# Altium PCB tesis.PcbDoc (part 3 of 3)
Units mil, origin at the board's own origin, x right, y up, seen from the top; angles counter-clockwise.
Board outline 5873 x 4555 mil, 2 copper layers (Top Layer, Bottom Layer); 272 components, 151 nets, 815 pads, 292 vias.
Unrouted connection lines stored in the file: 224.
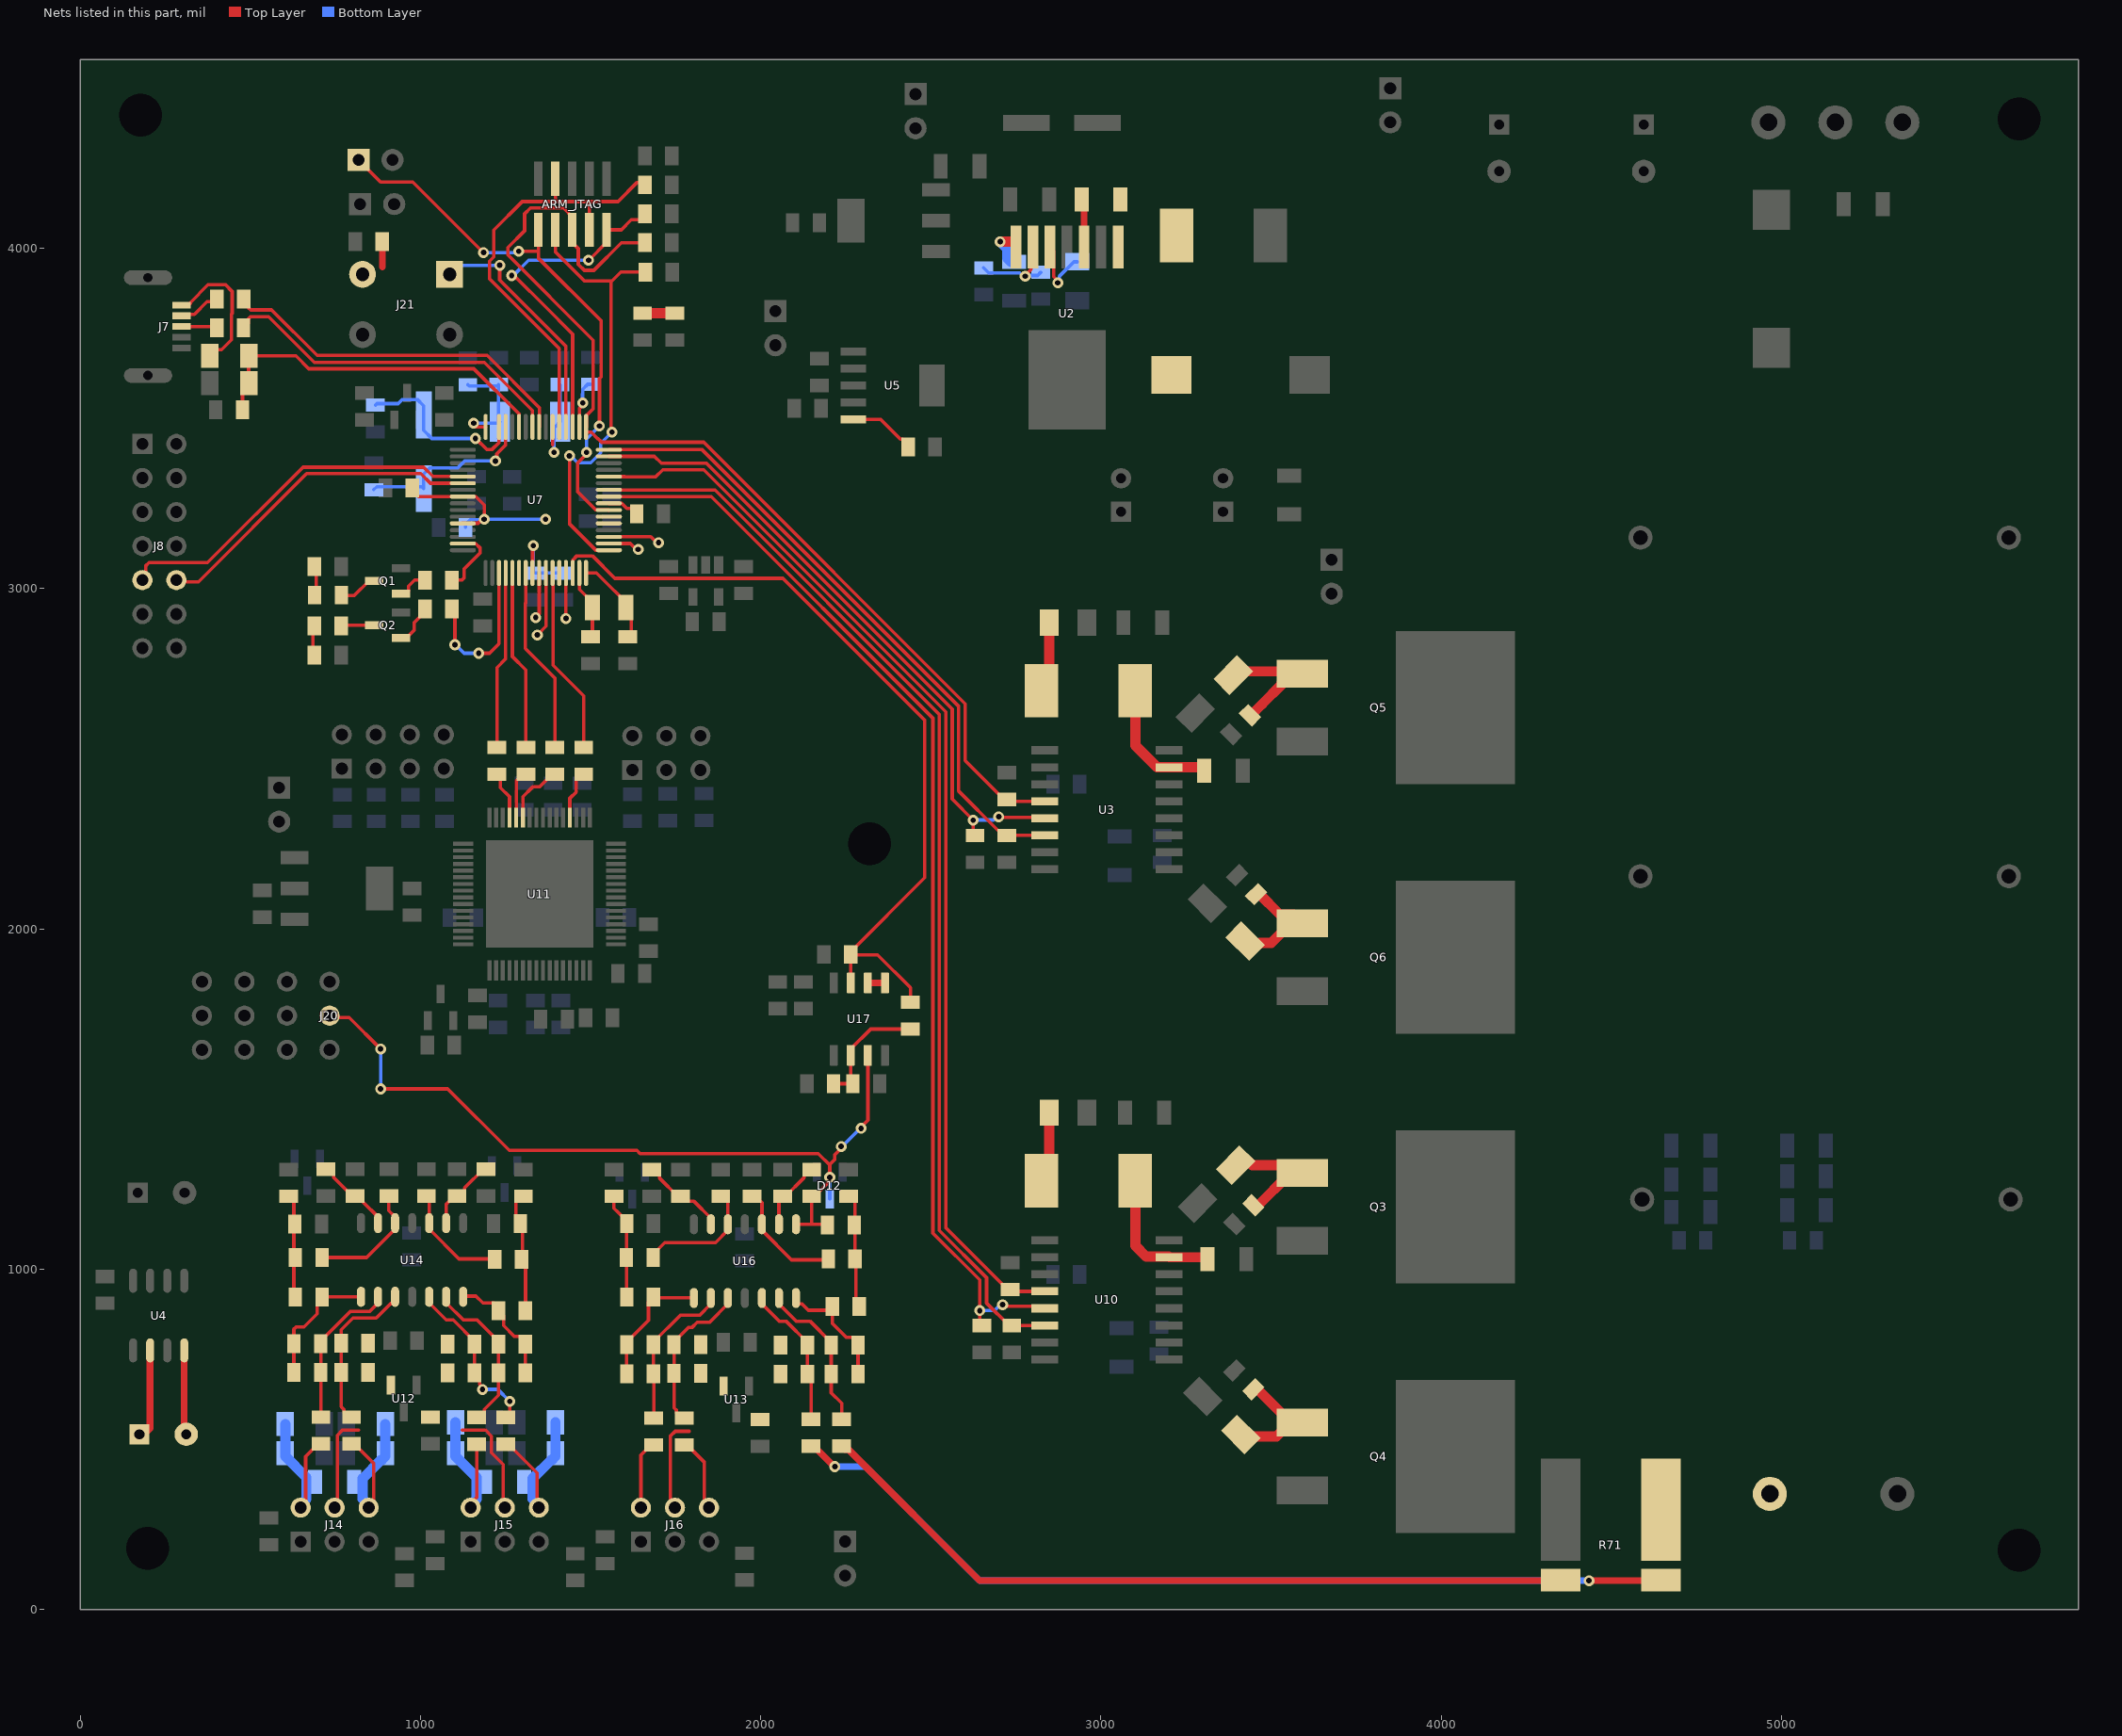
[diagram p3: the nets of this part, all layers, seen from the top]

## Via types
v1: diameter 32, hole 16, Top Layer to Bottom Layer, tented both sides, 257 vias
v2: diameter 55, hole 32, Top Layer to Bottom Layer, 12 vias
v3: diameter 32, hole 16, Top Layer to Bottom Layer, 9 vias
v4: diameter 26, hole 13, Top Layer to Bottom Layer, 9 vias
v5: diameter 32, hole 16, Top Layer to Bottom Layer, tented top, 3 vias
v6: diameter 50, hole 28, Top Layer to Bottom Layer, 2 vias

## Nets (pads, with @x,y where several pads share a name; then routed paths per layer and width w, separated by ;. In a path a pad name is that pad's centre, name@x,y a point inside that pad or via, vN(x,y) a via of type N, cw(c..) or ccw(c..) an arc to the next point about the centre after c; other vN are vias at no path point) (continued)
I4: C94.2 D12.3 J20.2 R70.1 U16.8 U17.3 | length 2450.6
  Top Layer w10: J20.2@733,1745 738,1740 790.44,1740 v1(883,1647.44) ; v1(883,1530) 1080,1530 1261,1349 1636.57,1349 1645.57,1340 2169.47,1340 2203,1306.47 v1(2203,1270) 2198.79,1265.79 2198.79,1255.28 2157.54,1214.03 R70.1@2149.66,1214.03 2149.66,1133.28 2148.59,1132.21 ; U16.8@2103.66,1132.21 2148.59,1132.21 ; C94.2@2196.28,1129.44 2193.51,1132.21 2148.59,1132.21 ; 2202.24,1307.24 2217.29,1322.29 2217.29,1336.43 2236.56,1355.69 v1(2236.56,1361) ; v1(2295,1413.84) 2295,1417.68 2315,1437.68 U17.3@2315,1628.7
  Bottom Layer w10: v1(883,1530) v1(883,1647.44) ; D12.3@2203,1206.49 v1(2203,1270) ; v1(2236.56,1361) 2239.36,1361 2292.2,1413.84 v1(2295,1413.84)
I_OUT_shunt_out: J9.1 R71.3
I_SHUNT+: R62.2 R71.2 | length 2277.2
  Top Layer w20: R62.2@2238,480.07 2247.69,470.39 2257.61,470.39 2643,85 4349.5,85 R71.2@4350.95,86.46
I_SHUNT-: R66.2 R71.1 | length 2661.3
  Top Layer w20: R66.2@2148,480.07 2155.87,480.07 2215.95,420 v3(2218.08,420) ; v1(4434.02,85) 4643.59,85 R71.1@4645.05,86.46
  Bottom Layer w20: v3(2218.08,420) 2308,420 2643,85 v1(4434.02,85)
IL_REF_A: C78.1 C79.1 C88.1 J14.4 J15.4 R42.2 R51.2 U12.2 | length 606.1
  Top Layer w10: J14.4@762.65,311.88 756.1,318.43 756.1,512.43 770.56,526.88 817.65,526.88 ; 1122.65,526.88 1191.76,526.88 1209.1,509.54 1209.1,460.46 1243,426.56 J15.4@1243,281.91
IL_REF_B: C80.1 C92.1 C96.1 J16.4 R60.2 R69.2 U13.2 | length 277.1
  Top Layer w10: J16.4@1748,299.44 1748,312.72 1734.1,326.61 1734.1,509.06 1748.93,523.88 1789.65,523.88
NetC1_1: C1.1 U2.3 | length 142.9
  Top Layer w20: C1.1@2943.16,4143 2943.16,4123.32 2950.24,4116.23 U2.3@2950.24,4003
NetC1_2: C1.2 D1.1 L1.1 U2.1
NetC4_1: C4.1 U2.7 | length 144.4
  Top Layer w30: v3(2703.77,4019.24) 2749.5,4019.24 2750.24,4018.49 U2.7@2750.24,4003
  Bottom Layer w30: v3(2703.77,4019.24) 2724.81,3998.19 2724.81,3970.68 2735.4,3960.09 C4.1@2745.24,3960.09
NetC15_1: C15.1 U4.2 | length 268.9
  Top Layer w20: C15.1@174.1,515 175.1,514 187.1,514 205.31,532.21 205.31,760.95 U4.2@206,761.64
NetC15_2: C15.2 U4.4 | length 249.1
  Top Layer w20: U4.4@306,761.64 306,520.9 C15.2@311.9,515
NetC23_1: C23.1 U5.5 | length 199.5
  Top Layer w10: U5.5@2271.65,3496.68 2353.43,3496.68 2410.87,3439.24 2418.74,3439.24 2433.43,3424.55 C23.1@2433.43,3416.68
NetC29_1: C29.1 J14.2 R35.2 R86.1 R87.1 | length 476.6
  Top Layer w10: J14.2@662.65,311.88 662.65,449.8 699.79,486.94 R35.2@707.66,486.94
  Bottom Layer w30: R86.1@602.91,545 R87.1@602.91,460 602.91,450.16 665,388.07 665,324.3 648,307.3 J14.2@648,299.44
NetC29_2: C29.2 J14.6 R39.2 R88.2 R89.2 | length 488.5
  Top Layer w10: R39.2@797.66,486.94 805.54,486.94 862.65,429.83 J14.6@862.65,311.88
  Bottom Layer w30: J14.6@848,299.44 848,307.3 830,325.3 830,385 884.57,439.57 886.5,439.57 897.09,450.16 R88.2@897.09,460 R89.2@897.09,545
NetC30_1: C30.1 J15.2 R44.2 R90.1 R91.1 | length 477.1
  Top Layer w10: J15.2@1148,299.44 1148,312.17 1165.66,329.83 R44.2@1165.66,485.94
  Bottom Layer w30: R90.1@1102.91,550 R91.1@1102.91,460 1102.91,450.16 1165,388.07 1165,324.3 1148,307.3 J15.2@1148,299.44
NetC30_2: C30.2 J15.6 R48.2 R92.2 R93.2 | length 528.9
  Top Layer w10: R48.2@1250.66,485.94 1258.54,485.94 1343,401.48 J15.6@1343,286.9
  Bottom Layer w30: J15.6@1348,299.44 1348,307.3 1330,325.3 1330,385.14 1384.42,439.57 1386.5,439.57 1397.09,450.16 R92.2@1397.09,460 R93.2@1397.09,550
NetC39_1: C39.1 U7.32 Y2.2 | length 265.3
  Top Layer w10: U7.32@1486.8,3045.85 1517.71,3045.85 1620.23,2943.33 1620.23,2869 C39.1@1609.6,2858.37
NetC44_1: C44.1 U7.31 Y2.1 | length 208.7
  Top Layer w10: U7.31@1467.12,3045.85 1467.46,3045.5 1467.46,2997.67 1505.39,2959.75 1505.39,2859.16 1504.6,2858.37 C44.1@1499.6,2858.37
NetC45_2: C45.2 C46.1 C47.1 C48.1 C49.1 L3.1 U7.8 U7.12 U7.24 U7.54 | length 1091.4
  Top Layer w10: C47.1@975.96,3296.18 975.96,3288.31 994,3270.26 U7.8@1124.6,3270.26 1124.94,3269.91 1163.06,3269.91 1187.6,3245.38 v1(1187.6,3204) 1181.64,3204 1169.51,3191.87 1124.94,3191.87 U7.12@1124.6,3191.52 ; U7.24@1329.32,3045.85 1329.67,3046.2 1329.67,3124.26 v3(1331.59,3126.18) ; 1388.38,3422.78 U7.54@1388.38,3474.98
  Bottom Layer w10: C48.1@1132.37,3180 1132.37,3187.88 1147.06,3202.56 1186.16,3202.56 v1(1187.6,3204) v1(1367.78,3204) ; v3(1331.59,3126.18) 1331.59,3048.12 1329.32,3045.85 1329.32,3045.55 C45.2@1401.59,3045.55 ; v1(1393,3400) 1393,3472.4 L3.1@1410.6,3490 1410.6,3598.63 C49.1@1409.6,3599.63
NetC50_2: C50.2 C51.1 L3.2 U7.64 | length 325.8
  Top Layer w10: v1(1156.59,3486.18) 1156.59,3480.84 1162.45,3474.98 U7.64@1191.53,3474.98
  Bottom Layer w10: C51.1@1139.6,3599 1143.42,3595.18 1225.15,3595.18 C50.2@1229.6,3599.63 1229.6,3493.84 L3.2@1233.43,3490 1229.61,3486.18 v1(1156.59,3486.18)
NetC52_1: C52.1 D6.1 U10.7 | length 416.6
  Top Layer w30: D6.1@3100.8,1260 3100.8,1069.2 3133.19,1036.81 U10.7@3198.87,1036.81 ; U10.7@3200.68,1035 3307.91,1035 C52.1@3312.91,1030
NetC53_1: C53.1 D13.1 U3.7 | length 396.7
  Top Layer w30: D13.1@3100.8,2700 3100.8,2539.21 3165,2475 U3.7@3200.68,2475 3293.04,2475 3297.91,2470.13 3297.91,2465 C53.1@3302.91,2465
NetC75_1: C75.1 R35.1 R36.2 U14.2 | length 456.6
  Top Layer w10: R35.1@707.66,565.68 707.66,696.31 707.66,780.68 C75.1@707.03,781.31 707.03,789.19 793.36,875.52 849.85,875.52 875.66,901.33 U14.2@875.66,919.04
NetC75_2: C75.2 R36.1 R37.2 U14.1 | length 384.8
  Top Layer w10: R36.1@628.29,696.31 C75.2@628.29,781.31 628.29,823.87 634.86,830.44 657.94,830.44 697,869.5 697,904.42 711.62,919.04 U14.1@825.66,919.04
NetC76_1: C76.1 R37.1 R38.2 R40.2 | length 308.3
  Top Layer w10: R40.2@612.74,1214.03 613.61,1214.03 628.29,1199.34 628.29,1135.43 C76.1@631.28,1132.44 628.29,1129.45 R38.2@628.29,1034.44 ; R37.1@632.28,918.44 628.29,922.43 628.29,1030.45 R38.2@632.28,1034.44
NetC77_2: C77.2 R38.1 U14.12 | length 354.5
  Top Layer w10: R38.1@711.02,1034.44 842.24,1034.44 925.66,1117.86 925.66,1153.3 906.7,1172.25 906.7,1213.98 C77.2@907.66,1214.94
NetC78_2: C78.2 R39.1 R42.1 U14.3 | length 480.3
  Top Layer w10: R39.1@797.66,565.68 789.79,565.68 775.1,580.37 775.1,588.24 767.29,596.05 R42.1@767.29,697.31 C78.2@767.29,782.31 767.29,821.94 801.87,856.52 870.15,856.52 912.35,898.72 919.37,898.72 925.66,905.01 U14.3@925.66,919.04
NetC83_1: C83.1 R44.1 R45.2 U14.6 | length 472.7
  Top Layer w10: U14.6@1075.66,919.04 1075.66,901.33 1126.19,850.8 1166.68,850.8 1229.29,788.19 C83.1@1229.29,780.31 R45.2@1229.29,695.31 1229.29,629.37 1188.22,588.3 1188.22,579.37 1173.54,564.68 R44.1@1165.66,564.68
NetC83_2: C83.2 R45.1 R46.2 U14.7 | length 352.9
  Top Layer w10: U14.7@1125.66,919.04 1127.66,921.04 1163.43,921.04 1183.47,901 1214.94,901 1229.63,886.32 R46.2@1229.63,878.44 1244.32,863.76 1244.32,834.44 1275.89,802.87 1293.35,802.87 1308.03,788.19 C83.2@1308.03,780.31 R45.1@1308.03,695.31
NetC84_1: C84.1 R46.1 R47.2 R49.2 | length 364.3
  Top Layer w10: R49.2@1302.74,1214.03 1294.87,1214.03 1280.19,1199.34 1280.19,1148.28 1300.4,1128.06 1300.4,1031.47 R47.2@1297.37,1028.44 1309.02,1016.79 1309.02,879.09 R46.1@1308.37,878.44
NetC86_2: C86.2 R47.1 U14.10 | length 330.4
  Top Layer w10: C86.2@1017.66,1214.94 1025.66,1206.94 1025.66,1117.86 1113.08,1030.44 1216.63,1030.44 R47.1@1218.63,1028.44
NetC88_2: C88.2 R48.1 R51.1 U14.5 | length 495.7
  Top Layer w10: U14.5@1025.66,919.04 1025.66,901.33 1076.19,850.8 1096.42,850.8 1159.03,788.19 C88.2@1159.03,780.31 R51.1@1159.03,695.31 1173.72,680.63 1173.72,661.77 1182.65,652.84 v1(1182.65,646.88) ; R48.1@1250.66,564.68 1262.65,576.67 v1(1262.65,611.88)
  Bottom Layer w10: v1(1182.65,646.88) 1227.65,646.88 v1(1262.65,611.88)
NetC89_1: C89.1 R53.1 R54.2 U16.2 | length 456.6
  Top Layer w10: R53.1@1685.66,562.31 1685.66,692.31 R54.2@1685.03,692.94 C89.1@1685.03,777.94 1685.03,785.82 1763.66,864.44 1820.15,864.44 1853.66,897.96 U16.2@1853.66,915.67
NetC89_2: C89.2 R54.1 R55.2 U16.1 | length 377.2
  Top Layer w10: R54.1@1606.29,692.94 C89.2@1606.29,777.94 1606.29,785.82 1670.35,849.87 1670.35,903.26 R55.2@1685.03,917.94 1687.3,915.67 U16.1@1803.66,915.67
NetC90_1: C90.1 R55.1 R56.2 R58.2 | length 311.9
  Top Layer w10: R58.2@1568.74,1214.02 1568.74,1179.34 1576.94,1171.14 1577.45,1171.14 1606.28,1142.32 C90.1@1606.28,1134.44 1606.29,1046.43 R55.1@1606.29,917.94
NetC91_2: C91.2 R56.1 U16.12 | length 360.5
  Top Layer w10: R56.1@1686.02,1046 1718.04,1078.02 1867.19,1078.02 1903.66,1114.49 1903.66,1201.89 1888.98,1216.57 C91.2@1882.66,1216.57
NetC92_2: C92.2 R57.1 R60.1 U16.3 | length 463.8
  Top Layer w10: R57.1@1775.66,562.31 1767.79,562.31 1753.1,577 1753.1,584.87 1745.29,592.68 R60.1@1745.29,693.94 1745.29,786.82 1786.92,828.45 1797.53,828.45 1813.52,844.44 1850.14,844.44 1903.66,897.96 U16.3@1903.66,915.67
NetC93_1: C93.1 R62.1 R63.2 U16.6 | length 456.9
  Top Layer w10: U16.6@2053.66,915.67 2053.66,897.96 2104.19,847.43 2144.68,847.43 2207.29,784.82 C93.1@2207.29,776.94 2207.29,636.79 2238,606.09 R62.1@2238,558.81
NetC93_2: C93.2 R63.1 R64.2 U16.7 | length 373.8
  Top Layer w10: U16.7@2103.66,915.67 2103.66,904.15 2109.95,897.86 2121.48,897.86 2139.79,879.54 2200.17,879.54 R64.2@2210.63,890 2210.63,840.65 2251.78,799.5 2271.35,799.5 2286.03,784.82 R63.1@2286.03,691.94
NetC94_1: C94.1 R64.1 R65.2 R67.2 | length 343
  Top Layer w10: R67.2@2258.74,1216.03 2262.72,1216.03 2277.4,1201.34 2277.4,1131.82 C94.1@2275.02,1129.44 2277.4,1127.06 R65.2@2277.37,1030 ; R65.2@2277.37,1030 2280,1027.37 2280,899.37 R64.1@2289.37,890
NetC95_2: C95.2 R65.1 U16.10 | length 350.7
  Top Layer w10: C95.2@1974.66,1216.57 1982.54,1216.57 2003.66,1195.45 2003.66,1114.49 2090.6,1027.56 2196.19,1027.56 R65.1@2198.63,1030
NetC96_2: C96.2 R66.1 R69.1 U16.5 | length 428.5
  Top Layer w10: U16.5@2003.66,915.67 2003.66,897.96 2054.19,847.43 2074.42,847.43 2137.03,784.82 C96.2@2137.03,776.94 R69.1@2137.03,691.94 2148,680.97 R66.1@2148,558.81
NetD2_2: D2.2 R4.1 | length 95.4
  Top Layer w20: R4.1@1748,3809.37 R4.1@1748.32,3809.69
  Top Layer w30: D2.2@1653,3809.37 R4.1@1748,3809.37
NetD4_1: D4.1 Q1.3 | length 114.4
  Top Layer w10: D4.1@767.86,2980.98 768.84,2980 773,2980 806.17,2980 848.57,3022.4 Q1.3@864.26,3022.4
NetD4_2: D4.2 R8.1 | length 88
  Top Layer w10: R8.1@688.63,3065 693.63,3060 693.63,2985.5 D4.2@689.12,2980.98
NetD5_1: D5.1 Q2.3 | length 99.3
  Top Layer w10: D5.1@767.37,2890 767.37,2892.4 Q2.3@864.26,2892.4
NetD5_2: D5.2 R9.1 | length 88.6
  Top Layer w10: R9.1@688.63,2805 684.26,2809.37 684.26,2885.63 D5.2@688.63,2890
NetD6_2: D6.2 R5.1 | length 222.7
  Top Layer w30: D6.2@2825.2,1260 2847.88,1260 R5.1@2847.88,1460
NetD7_2: D7.2 Q3.1 R30.2 | length 437.7
  Top Layer w30: D7.2@3395.68,1305.68 3406.81,1316.81 3432.93,1316.81 3444.06,1305.68 3535.2,1305.68 Q3.1@3557.55,1283.33 ; R30.2@3447.84,1187.84 3454.95,1180.73 Q3.1@3557.55,1283.33 ; Q3.1@3557.55,1283.33 Q3.1@3591.6,1283.33 ; Q3.1@3557.55,1283.33 Q3.1@3591.6,1283.33 ; Q3.1@3557.55,1283.33 Q3.1@3591.6,1283.33
NetD8_2: D8.2 Q4.1 R31.2 | length 353.2
  Top Layer w30: D8.2@3410.68,514.32 3416.81,508.19 3515.73,508.19 Q4.1@3557.55,550 ; R31.2@3447.84,647.16 3450.8,650.12 3457.43,650.12 3531.6,575.95 Q4.1@3557.55,550 ; Q4.1@3591.6,550 Q4.1@3557.55,550
NetD13_2: D13.2 R6.1 | length 209.4
  Top Layer w30: D13.2@2825.2,2700 2847.88,2722.68 R6.1@2847.88,2900
NetD14_2: D14.2 Q5.1 R83.2 | length 420.5
  Top Layer w30: D14.2@3388.68,2744.32 D14.2@3388.68,2745.68 3399.81,2756.81 3557.55,2756.81 3584.79,2756.81 Q5.1@3591.6,2750 3557.55,2750 3531.6,2724.06 3531.6,2718.6 3473,2660 3439.34,2626.34 R83.2@3437.84,2627.84
NetD15_2: D15.2 Q6.1 R84.2 | length 371.7
  Top Layer w30: D15.2@3423.68,1964.32 3434.81,1953.19 3460.93,1953.19 3467.02,1959.28 3500.61,1959.28 3531.6,1990.28 3531.6,1990.72 3557.55,2016.67 Q6.1@3591.6,2016.67 3565.66,2042.61 3525.39,2042.61 3464.15,2103.85 3457.53,2103.85 R84.2@3455.84,2102.16
NetJ7_1: J7.1 R16.1 | length 409.5
  Top Layer w10: J7.1@298.16,3832.99 301.43,3832.99 319.14,3832.99 323.98,3837.84 323.98,3840.72 375.83,3892.56 427.38,3892.56 446.95,3872.99 446.95,3809.36 444.95,3807.36 444.95,3730.69 415.91,3701.65 398.83,3701.65 R16.1@381.18,3684
NetJ7_2: J7.2 R18.1 | length 124.2
  Top Layer w10: J7.2@298.16,3801.5 301.43,3801.5 305.54,3805.61 335.93,3805.61 373.07,3842.75 393.64,3842.75 R18.1@401.9,3851
NetJ7_3: J7.3 R19.1 | length 104.8
  Top Layer w10: J7.3@298.16,3770 398.38,3770 R19.1@401.64,3766.74
NetJ16_2: J16.2 R53.2 | length 204.3
  Top Layer w10: J16.2@1648,299.44 1648,453.78 1677.79,483.57 R53.2@1685.66,483.57
NetJ16_6: J16.6 R57.2 | length 203.7
  Top Layer w10: R57.2@1775.66,483.57 1783.54,483.57 1834.65,432.46 J16.6@1834.65,308.88
NetQ1_1: Q1.1 R14.1 | length 96.4
  Top Layer w10: Q1.1@943,2985 958.69,2985 965.5,2991.81 965.5,3007.5 983,3025 R14.1@1013.63,3025
NetQ2_1: Q2.1 R15.1 | length 123.4
  Top Layer w10: Q2.1@943,2855 958.69,2855 982.22,2878.53 982.22,2900.72 1013.63,2932.13 R15.1@1013.63,2940
NetR1_2: R1.2 R3.2 U2.6 | length 277.6
  Top Layer w10: v1(2777.3,3917.71) 2777.3,3920.96 2794.5,3938.16 2794.5,3997.25 U2.6@2800.24,4003
  Bottom Layer w10: R1.2@2655.24,3942.37 2669.93,3927.69 2761.37,3927.69 2771.34,3917.71 v1(2777.3,3917.71) 2779.59,3920.01 2813.64,3920.01 R3.2@2823,3929.37
NetR2_2: R2.2 U2.5 | length 204.7
  Top Layer w10: U2.5@2850.24,4003 2860.99,3992.25 2860.99,3916.63 2873,3904.62 v1(2873,3898.67)
  Bottom Layer w10: v1(2873,3898.67) 2877.21,3902.88 2877.21,3916.89 2920.4,3960.09 R2.2@2930.24,3960.09
NetR20_2: R20.2 U7.50 | length 144.1
  Top Layer w10: U7.50@1467.12,3474.98 1467.12,3529.83 1477.43,3540.14 v1(1477.43,3545.7)
  Bottom Layer w10: v1(1477.43,3545.7) 1476.56,3546.57 1476.56,3572.22 1477.04,3572.7 1477.04,3585.58 1491.72,3600.26 R20.2@1499.6,3600.26
NetR21_2: R21.2 U7.40 | length 95.1
  Top Layer w10: U7.40@1553.73,3250.57 1554.08,3250.23 1592.2,3250.23 1606.8,3235.62 1620.94,3235.62 1635.63,3220.94 R21.2@1635.63,3220
NetR26_2: R26.2 R80.1 R85.2 U17.2 | length 357.4
  Top Layer w10: R80.1@2214.37,1545 R85.2@2265,1545 ; R85.2@2270.63,1545 2265.63,1545 2265,1545.63 U17.2@2265,1628.7 2265,1647.4 2323.23,1705.63 R26.2@2440,1705.63
NetR32_2: R32.2 U11.20 | length 149.4
  Top Layer w10: U11.20@1439.09,2326.84 1439.09,2383.66 1457.44,2402.01 1457.44,2439.95 1472.13,2454.63 R32.2@1480,2454.63
NetR33_2: R33.2 U11.29 | length 143
  Top Layer w10: R33.2@1225,2454.51 1235,2444.51 1235,2415.34 1261.92,2388.41 U11.29@1261.92,2326.84
NetR34_2: R34.2 U11.28 | length 144.2
  Top Layer w10: U11.28@1281.61,2326.84 1281.61,2434.11 1302.13,2454.63 R34.2@1310,2454.63
NetR41_2: R41.2 R43.2 U14.13 | length 235.3
  Top Layer w10: R43.2@722.66,1293.68 730.54,1293.68 745.22,1279 745.22,1269.51 799.79,1214.94 R41.2@807.66,1214.94 815.54,1214.94 830.22,1200.26 830.22,1198.74 875.66,1153.3 U14.13@875.66,1135.58
NetR50_2: R50.2 R52.2 U14.9 | length 212.5
  Top Layer w10: U14.9@1075.66,1135.58 1075.66,1190.82 1099.79,1214.94 R50.2@1107.66,1214.94 ; R50.2@1115.54,1214.94 1130.22,1229.63 1130.22,1239.12 1184.79,1293.68 R52.2@1192.66,1293.68
NetR59_2: R59.2 R61.2 U16.13 | length 256.4
  Top Layer w10: R61.2@1679.66,1292.77 1687.54,1292.77 1702.22,1278.08 1702.22,1268.59 1756.79,1214.02 R59.2@1764.66,1214.02 1779.35,1199.34 1804.25,1199.34 1853.66,1149.93 U16.13@1853.66,1132.21
NetR68_2: R68.2 R70.2 U16.9 | length 209.5
  Top Layer w10: U16.9@2053.66,1132.21 2053.66,1203.02 R68.2@2064.66,1214.02 2072.54,1214.02 2127.1,1268.59 2127.1,1278.08 2141.79,1292.77 R70.2@2149.66,1292.77
NetR79_2: R79.2 U11.27 | length 182.8
  Top Layer w10: U11.27@1301.29,2326.84 1301.29,2388.53 1327,2414.24 1329.98,2417.22 1349.72,2417.22 1387.13,2454.63 R79.2@1395,2454.63
NetU17_5: U17.5 U17.6 | length 50
  Top Layer w20: U17.6@2315,1841.3 U17.5@2365,1841.3
PA0: R82.2 U3.14 U7.48 | length 1898
  Top Layer w10: U7.48@1553.73,3408.05 1554.08,3408.4 1594.1,3408.4 1594.7,3409 1826.61,3409 2582,2653.61 2582,2404.74 2697.68,2289.06 2708.32,2289.06 R82.2@2723,2274.37 2723.63,2275 U3.14@2835.32,2275
PA1: R95.1 U3.13 U7.47 | length 1932.7
  Top Layer w10: U7.47@1553.73,3388.37 1687.91,3388.37 1708.02,3368.26 1840.48,3368.26 2563,2645.74 2563,2381.31 v1(2624.66,2319.66) 2624.66,2279.71 R95.1@2630,2274.37 ; v1(2699.58,2329.58) 2701.87,2327.29 2833.03,2327.29 U3.13@2835.32,2325
  Bottom Layer w10: v1(2624.66,2319.66) 2625,2320 2684.05,2320 2693.63,2329.58 v1(2699.58,2329.58)
PA2: R27.2 U7.44 U10.12 | length 3178.8
  Top Layer w10: U7.44@1553.73,3329.31 1554.08,3328.97 1600.53,3328.97 1601.13,3328.37 1691.16,3328.37 1712.05,3349.26 1832.61,3349.26 2544,2637.87 2544,1121.76 2725.13,940.63 R27.2@2733,940.63 2738.63,935 U10.12@2835.32,935
PA5: U7.35 | length 153.4
  Top Layer w10: U7.35@1553.73,3152.15 1676.9,3152.15 1694.05,3135 v3(1700,3135)
PA6: U7.34 | length 93.5
  Top Layer w10: U7.34@1553.73,3132.46 1616.58,3132.46 1634.05,3115 v3(1640,3115)
PA9: R7.1 R26.1 U7.30 U17.7 | length 2399
  Top Layer w10: U7.30@1447.43,3045.85 1447.78,3046.2 1447.78,3084.32 1459.7,3096.24 1505.29,3096.24 1571.52,3030 2065.65,3030 2482.07,2613.58 2482.07,2150.57 2264.37,1932.87 R7.1@2264.37,1925 R7.1@2264.37,1923.94 ; U17.7@2265,1841.3 2265,1914.37 2264.37,1915 R7.1@2264.37,1923.94 ; R26.1@2440,1784.37 2440,1827.24 2343.31,1923.94 R7.1@2264.37,1923.94
PA10: U7.29 | length 133.6
  Top Layer w10: v3(1427.75,2912.25) U7.29@1427.75,3045.85
PA15: R33.1 U7.20 | length 523.2
  Top Layer w10: R33.1@1225,2533.25 1225,2767.62 1250.58,2793.2 U7.20@1250.58,3045.85
PA16: R15.2 U7.19 | length 468.1
  Top Layer w10: R15.2@1092.37,2940 1101.44,2930.93 v1(1101.44,2835) ; v1(1171.44,2810) 1203,2810 1230.9,2837.9 U7.19@1230.9,3045.85
  Bottom Layer w10: v1(1101.44,2835) 1103.7,2835 1128.7,2810 v1(1171.44,2810)
PA23: R14.2 U7.15 | length 202.3
  Top Layer w10: R14.2@1092.37,3025 1122.14,3025 1128,3030.86 1128,3057.43 1174.98,3104.41 1174.98,3120.2 1163.06,3132.12 1124.94,3132.12 U7.15@1124.6,3132.46
PA24: R79.1 U7.23 | length 548.6
  Top Layer w10: U7.23@1309.64,3045.85 1309.64,2958.03 1308.69,2957.08 1308.69,2824.09 1395,2737.79 R79.1@1395,2533.37
PA25: U7.25 | length 135.1
  Top Layer w10: v3(1338.69,2915) 1338.69,2916.03 1349.01,2926.34 U7.25@1349.01,3045.85
PA26: U7.26 | length 193.1
  Top Layer w10: v3(1343.69,2863.72) 1369.38,2889.4 1369.38,3011.41 1369.04,3011.74 1369.04,3045.5 U7.26@1368.69,3045.85
PA27: U7.37
PA28: U7.38
PA29: R94.1 U7.41 U10.13 | length 3274.2
  Top Layer w10: U7.41@1553.73,3270.26 1854.74,3270.26 2506,2619 2506,1106.02 2643.62,968.4 v1(2643.62,878.45) ; v1@2646.71,881.54 v1(2643.62,878.45) ; R94.1@2650,834.37 2643.62,840.75 v1(2643.62,878.45) ; v1(2710.98,895.95) 2715.19,891.74 2828.59,891.74 U10.13@2835.32,885
  Bottom Layer w10: v1(2643.62,878.45) 2687.53,878.45 2705.02,895.95 v1(2710.98,895.95)
PA30: R28.2 U7.42 U10.14 | length 3230.7
  Top Layer w10: U7.42@1553.73,3289.94 1711.37,3289.94 1712.05,3289.26 1865.74,3289.26 2525,2630 2525,1113.89 2664,974.89 2664,900.5 2730.13,834.37 R28.2@2738,834.37 2738.63,835 U10.14@2835.32,835
PA31: J21.1 J21.2 R22.1 U7.52 | length 789.3
  Top Layer w10: v1(1233,3950) 1233,3907.15 1427.75,3712.4 U7.52@1427.75,3474.98
  Top Layer w20: R22.1@887.37,4020 888,4020 888,3945
  Bottom Layer w10: J21.1@1085.95,3923.58 1112.37,3950 v1(1233,3950)
PB8: C32.1 U7.61 Y1.2 | length 534.4
  Top Layer w10: v1(1220.45,3374.86) 1224.66,3379.07 1224.66,3395.93 1250.58,3421.85 U7.61@1250.58,3474.98
  Bottom Layer w10: C32.1@863,3290.63 872,3299.63 1003.97,3299.63 Y1.2@1009.6,3294 1009.6,3336.38 1028.22,3355 1109.98,3355 1129.84,3374.86 v1(1220.45,3374.86)
PB9: C35.2 U7.62 Y1.1 | length 526.7
  Top Layer w10: v1(1161.59,3441.18) 1162.54,3441.18 1194.66,3409.07 1210.93,3409.07 1230.55,3428.69 1230.55,3474.64 U7.62@1230.9,3474.98
  Bottom Layer w10: C35.2@868,3539.37 872,3543.37 935.01,3543.37 947.37,3555.72 990.98,3555.72 1009.6,3537.1 1009.6,3465.26 1033.68,3441.18 v1(1161.59,3441.18)
R\E\S\E\T\: ARM_JTAG.10 RESET.1 U7.39 | length 1631.3
  Top Layer w10: RESET.1@818,4260 883,4195 977.94,4195 v1(1185.55,3987.4) ; v1(1288.92,3991.51) 1289.04,3991.38 1346.59,3991.38 ; ARM_JTAG.10@1346.59,4054.18 1346.59,3991.38 ; v1(1488,3400) 1488,3395.57 1462.43,3370 1462.43,3284.08 1515.27,3231.24 1553.38,3231.24 U7.39@1553.73,3230.89 ; v1(1526.18,3478.03) 1526.43,3478.29 1526.43,3617.72 1530.8,3622.09 1530.8,3786.97 1346.59,3971.18 1346.59,3991.38
  Bottom Layer w10: v1(1185.55,3987.4) 1185.59,3987.44 1284.85,3987.44 v1(1288.92,3991.51) ; v1(1488,3400) 1488,3439.39 1526.18,3477.57 v1(1526.18,3478.03)
SPI_MISO: R32.1 U7.27 | length 550.4
  Top Layer w10: U7.27@1388.38,3045.85 1388.38,3012.88 1389.89,3011.37 1389.89,2775.11 1480,2685 R32.1@1480,2533.37
SPI_MOSI: U7.22
SPI_NPCS0: U7.28
SPI_SPCK: R34.1 U7.21 | length 528.9
  Top Layer w10: U7.21@1270.27,3045.85 1270.27,2800.33 1310,2760.6 R34.1@1310,2533.37
TCK: ARM_JTAG.4 ARM_JTAG.7 R12.1 U7.53 | length 1326.2
  Top Layer w10: ARM_JTAG.7@1396.59,4204.18 1396.59,4140.18 1393.59,4137.18 ; U7.53@1408.06,3474.98 1408.06,3705.22 1203,3910.28 1203,3962.43 1215.55,3974.97 1215.55,4053.56 1299.16,4137.18 1393.59,4137.18 ; ARM_JTAG.4@1496.59,4054.18 1496.59,4135 1494.41,4137.18 ; R12.1@1659.8,4186.26 1652.35,4193.7 1637.24,4193.7 1580.72,4137.18 1494.41,4137.18 ; 1393.59,4137.18 1494.41,4137.18
TDI: ARM_JTAG.8 R10.1 U7.33 | length 1354.9
  Top Layer w10: ARM_JTAG.8@1396.59,4054.18 1396.59,3989.18 1482.12,3903.65 1563.09,3903.65 1589.62,3930.18 R10.1@1661.22,3930.18 ; v1(1438,3390) 1438,3190.39 1515.27,3113.13 1553.38,3113.13 U7.33@1553.73,3112.78 ; 1560.44,3903.65 1560.44,3462.56 v1(1563,3460)
  Bottom Layer w10: v1(1438,3390) 1441.84,3390 1461.84,3370 1500.43,3370 1529.61,3399.18 1529.61,3426.61 v1(1563,3460)
TDO: ARM_JTAG.6 R11.1 R81.2 U3.12 U7.49 | length 3210.2
  Top Layer w10: R11.1@1659.8,4016.26 1590.97,4016.26 1509.92,3935.22 1481.75,3935.22 1464.18,3952.79 1464.18,3999.09 1446.59,4016.68 1446.59,4091.68 1420.09,4118.18 1323.21,4118.18 1306.37,4101.34 1306.37,4051.39 1257.35,4002.37 1257.35,3980.65 1508,3730 1508,3626.16 1507.43,3625.59 1507.43,3528.1 1487.39,3508.06 1487.39,3475.58 U7.49@1486.8,3474.98 1486.8,3460.77 1487.64,3459.94 1501.85,3459.94 1521.79,3440 1523,3440 1533,3430 1832.48,3430 2601,2661.48 2601,2494.76 2715.13,2380.63 R81.2@2723,2380.63 2728.63,2375 U3.12@2835.32,2375
TMS: ARM_JTAG.2 R13.1 U7.51 | length 1013.5
  Top Layer w10: v1(1268.35,3920) 1274.3,3920 1282.73,3911.58 1283.77,3911.58 1363.49,3831.85 1447.43,3747.91 U7.51@1447.43,3474.98 ; v1(1494.18,3965.22) 1495.13,3965.22 1546.59,4016.68 ARM_JTAG.2@1546.59,4054.18 1590.59,4054.18 1620.11,4083.7 1645.11,4083.7 1659.8,4098.39 R13.1@1659.8,4101.26
  Bottom Layer w10: v1(1268.35,3920) 1272.98,3920 1318.2,3965.22 v1(1494.18,3965.22)
UART_RX: J8.9 U7.5 | length 1108.9
  Top Layer w10: J8.9@183,3025 192.39,3034.39 192.39,3065.94 202.92,3076.47 374.47,3076.47 654.74,3356.74 1009.31,3356.74 1036.74,3329.31 U7.5@1124.6,3329.31
UART_TX: J8.10 U7.6 | length 986.9
  Top Layer w10: J8.10@283,3025 288,3020 348,3020 665.74,3337.74 1001.44,3337.74 1029.55,3309.63 U7.6@1124.6,3309.63
USB_DD_N: R18.2 U7.56 | length 1064.3
  Top Layer w10: R18.2@480.64,3851 495.32,3836.32 495.32,3824.67 501.18,3818.82 562.47,3818.82 696.28,3685 1196.28,3685 1349.32,3531.96 U7.56@1349.32,3475.36
USB_DD_P: R19.2 U7.57 | length 1031.3
  Top Layer w10: R19.2@480.38,3766.74 495.07,3781.42 495.07,3792.96 500.93,3798.82 554.18,3798.82 688,3665 1188,3665 1329.32,3523.68 U7.57@1329.32,3475.36
USB_VBUS: C36.2 R16.2 R17.1 U7.59 | length 1080.5
  Top Layer w10: C36.2@477.37,3525 477.37,3604 R17.1@495.35,3604 R16.2@495.35,3684 634,3684 672,3646 1157.05,3646 1289.6,3513.45 1289.6,3475.33 U7.59@1289.95,3474.98
pads on no net: J7.4 J8.3 M1.1 M2.1 M3.1 M4.1 M5.1 U3.4 U3.5 U3.9 U3.10 U3.16 U4.1 U4.7 U9.5 U10.4 U10.5 U10.9 U10.10 U10.16 U11.13 U11.14 U11.15 U11.16 U11.17 U11.18 U11.19 U11.33 U11.55

## Polygon pours and split planes (outlines as drawn)
ETH on Top Layer "ETH_L01_P212" (solid, pour order 212): 5020,1005 5020,960.7 5863,960.7 5863,4545 5250,4545 5250,4175 5770,4175 5770,1005
+3v3 on Top Layer "+3V3_L01_P272" (solid, pour order 272): 555,2465 645,2465 645,2385 710,2320 710,2215 1005,2215 1004.94,2335.06 922.15,2335.06 834.1,2423.11 831.04,2420.06 720.65,2420.06 720.65,2519.35 1175,2519.35 1175,2775 555,2775
+3v3 on Top Layer "+3V3_L01_P255" (solid, remove dead copper, pour order 255): 610,3430 555,3375 150,3375 150,3475 495,3475 530,3510 530,3630 768,3630 768,3525 938,3525 938,3430
-5v on Top Layer "-5V_L01_P274" (solid, pour order 274): 255,1268.45 350,1268.45 350,915 465,800 465,105 2010,105 2015,100 2015.5,100.5 2015.5,250 2300,250 2300,10 390,10 390,745 285,850 285,1050 255,1050
+5v on Top Layer "+5V_L01_P273" (solid, pour order 273): 2020,1875 2020,1805 2235,1805 2235,1875
DRV2_MID on Top Layer "DRV2_MID_L01_P270" (solid, pour order 270): 5125,135 5125,565 4573,565 4573,930 5533,930 5533,135
+24v on Top Layer "+24V_L01_P241" (solid, pour order 241): 5215,4545 5215,4030 3633,4030 3633,4210 2868,4210 2868,4545
+24v on Top Layer "+24V_L01_P264" (solid, pour order 264): 2973,4195 2973,3930 3023,3930 3023,4195
DRV1_MID on Top Layer "DRV1_MID_L01_P235" (solid, remove dead copper, pour order 235): 3728,135 2930,135 2930,425 3270,425 3460,235 3750,235 3750,625 3570,625 3488,707 3488,1138 3558.33,1208.33 3783,1208.33 3783,915 4535,915 4535,135
+3v3 on Top Layer "+3V3_L01_P271" (solid, pour order 271): 768,4170 768,4080 873,4080 873,4170
DRV2_MID on Top Layer "DRV2_MID_L01_P232" (solid, pour order 232): 3280,1415 3798,1415 3798,1510 4458,1510 4458,2370 3783,2370 3783,2675 3575,2675 3488,2588 3488,2172 3565,2095 3750,2095 3750,1700 3280,1700
+5v on Top Layer "+5V_L01_P267" (solid, pour order 267): 588,250 700,250 700,115 478,115 478,810 373,915 373,1005 528.29,1170 588,1170
+5v on Top Layer "+5V_L01_P266" (solid, pour order 266): 130,1605 130,1275 373,1275 373,1005 533,1005 533,1342 270,1605
+5v on Top Layer "+5V_L01_P213" (solid, pour order 213): 143,1010 178,1010 178,930 143,930
+3v3 on Top Layer "+3V3_L01_P265" (solid, pour order 265): 1157.59,2061.09 1157.59,2145 1059.3,2145 1059.3,2061.3
+3v3 on Top Layer "+3V3_L01_P262" (solid, pour order 262): 1523,4315 1523,4150 1568,4150 1568,4315
+12v on Top Layer "+12V_L01_P261" (solid, pour order 261): 3728,3135 3728,3035 3628,3035 3628,3135
+3v3 on Top Layer "+3V3_L01_P247" (solid, pour order 247): 2615,2668 2615,2595 2740,2595 2740,2985 2923,2985 2923,3110 2553,3110 2553,3365 2378,3365 2378,3450 2353,3475 2338,3475 2338,3570 2128,3570 2128,3490 1793,3490 1588,3490 1588,3445 1838,3445
+12v on Top Layer "+12V_L01_P229" (solid, pour order 229): 2579,3260 2579,3135 3728,3135 3728,3260
+5v on Top Layer "+5V_L01_P260" (solid, pour order 260): 2423,4545 2423,4402.78 2508,4402.78 2508,4545
+5v on Top Layer "+5V_L01_P238" (solid, pour order 238): 2561.5,4117 2561.5,4042 2390,4042 2390,3627 2121,3627 2121,4545 2423,4545 2423,4117
PA31 on Top Layer "PA31_L01_P259" (solid, pour order 259): 791.81,3975 791.81,3871.3 1133.19,3871.3 1133.19,3975
+3v3 on Top Layer "+3V3_L01_P253" (solid, pour order 253): 1988,3490 1588,3490 1588,3915 1713,3915 1713,4385 2103,4385 2103,3490
+5v on Top Layer "+5V_L01_P258" (solid, pour order 258): 473,2070 798,2070 798,2005 943,2005 943,1920 682.17,1920 682.17,1980 473,1980
+5v on Top Layer "+5V_L01_P257" (solid, pour order 257): 813,1750 903,1750 903,1621.6 1058,1621.6 1058,1770 1028,1770 1028,1905 1083,1905 1083,2079.63 1013,2079.63 1013,1980 813,1980
+3v3 on Top Layer "+3V3_L01_P254" (solid, pour order 254): 1758,4385 703,4385 703,3700 768,3700 768,4305 1758,4305
+3v3 on Top Layer "+3V3_L01_P251" (solid, pour order 251): 1523,2265 1523,2295 1408,2295 1408,2360 1368,2360 1368,2265
+3v3 on Top Layer "+3V3_L01_P250" (solid, pour order 250): 1523,2490 1523,2265 1637.59,2265 1637.59,2490
+3v3 on Top Layer "+3V3_L01_P248" (solid, remove dead copper, pour order 248): 2010,1700 2155,1700 2155,1365 2010,1365 1260,1365 1085,1540 1553,1540 1718,1705 1718,2490 1523,2490 1523,2735 1663,2735 1663,3016.44 1838.75,3016.44 1838.75,2864.94 1918,2864.94 1918,3020 2088,3020 2483,2625 2483,1885 2010,1885
AGND on Top Layer "AGND_L01_P246" (solid, pour order 246): 3478,1896.67 3478,1736.67 3713,1736.67 3713,1896.67
AGND on Top Layer "AGND_L01_P244" (solid, pour order 244): 3478,430 3478,270 3713,270 3713,430
NetC45_2 on Top Layer "NETC45_2_L01_P227" (solid, pour order 227): 1357.58,3390.42 1391.59,3356.41 1391.59,3289.82 1346.59,3205.63 1346.59,3181.18 1276.59,3111.18 1286.59,3101.18 1369.67,3101.18 1411.59,3202.39 1411.59,3417.28 1395.67,3429.7 1366.43,3422.39
AGND on Top Layer "AGND_L01_P220" (solid, pour order 220): 1090.85,2221.06 1197.15,2221.06 1197.15,2142.32 1195.18,2140.36 1089.87,2140.36
+1v8 on Top Layer "+1V8_L01_P228" (solid, pour order 228): 575,2164 815,2164 815,2205 1027.98,2205 1027.52,2093.74 936,2093.74 936,2024 810,2024 810,2079 575,2079
AGND on Top Layer "AGND_L01_P239" (solid, pour order 239): 1094.6,2021.72 1094.6,1946.91 1200,1946.91 1200,2021.72
AGND on Top Layer "AGND_L01_P240" (solid, pour order 240): 1153.65,1904 1270,1904 1270,1854 1153.65,1854
AGND on Top Layer "AGND_L01_P243" (solid, pour order 243): 2553,3715 2553,3479 2409,3479 2409,3715
+5v on Top Layer "+5V_L01_P242" (solid, pour order 242): 130.02,1190 185,1190 185,930 129.98,930 10,930 10,4315 10,4545 2123,4545 2123,4400 683,4400 683,3940 143,3940 143,2775 450,2775 450,2425 365,2340 365,1905 270,1905 270,1590 130.1,1590
+12v on Top Layer "+12V_L01_P224" (solid, pour order 224): 2579,3250 2579,4215 2676,4215 2676,3250
+12v on Top Layer "+12V_L01_P237" (solid, pour order 237): 2469,4289 2469,4140 2676,4140 2676,4289
+3v3 on Top Layer "+3V3_L01_P223" (solid, remove dead copper, pour order 223): 1381.59,3336.84 1381.59,3304.46 1338.25,3199.85 1278,3100 1227.23,3100 1187.6,3278.17 1187.6,3319.42 1289.61,3387.59 1316.04,3401.71 1353.11,3383.05
I_OUT_shunt_out on Top Layer "I_OUT_SHUNT_OUT_L01_P236" (solid, pour order 236): 4573,490 5090,490 5090,135 4863.44,135 4573,135
IL_REF_A on Top Layer "IL_REF_A_L01_P218" (solid, pour order 218): 805.66,830.31 875.66,830.31 875.66,745.31 930.66,745.31 930.66,545.31 975.66,545.31 975.66,605.31 1025.66,605.31 1025.66,814.31 1125.66,814.31 1125.66,505.31 805.66,505.31
IL_REF_B on Top Layer "IL_REF_B_L01_P219" (solid, pour order 219): 1783.66,826.94 1853.66,826.94 1853.66,741.94 1908.66,741.94 1908.66,541.94 1953.66,541.94 1953.66,601.94 2003.66,601.94 2003.66,810.94 2103.66,810.94 2103.66,501.94 1783.66,501.94
AGND on Top Layer "AGND_L01_P221" (solid, pour order 221): 1729.65,1319.44 1729.65,1267.44 2099.65,1267.44 2099.65,1319.44
AGND on Top Layer "AGND_L01_P222" (solid, pour order 222): 772.65,1320.36 772.65,1268.36 1142.65,1268.36 1142.65,1320.36
AGND on Top Layer "GND" (solid, pour order 214): 2699.24,3841 2707.24,3841 3104.24,3841 3104.24,3431 3171.74,3363.5 3598,3363.5 3598,3290 2699.24,3290
AGND on Top Layer "AGND_L01_P215" (solid, pour order 215): 2693,4453 2855.24,4453 2855.24,4278 2790.24,4278 2790.24,4088 2693,4088
NetC1_2 on Top Layer "NETC1_2_L01_P216" (solid, pour order 216): 3030.24,4185 3030.24,3883 3140.24,3883 3140.24,3433 3370.24,3433 3370.24,4063 3370.24,4185
AGND on Top Layer "AGND_L01_P217" (solid, pour order 217): 3390.24,4158 3390.24,3913 3590.24,3913 3590.24,4158
+24v on Top Layer "+24V_L01_P225" (solid, pour order 225): 2901,4260 2901,4090 2816,4090 2816,4260
+24v on Top Layer "+24V_L01_P226" (solid, pour order 226): 3023,4190 2868,4190 2868,4315 3023,4315
+12v on Top Layer "+12V_L01_P230" (solid, pour order 230): 3413,3865 3728,3865 3728,3165 3633,3165 3633,3435 3413,3435
+24v_mosfet on Top Layer "+24V_MOSFET_L01_P231" (solid, pour order 231): 3833,3985 3833,2415 4500,2415 4500,1475 3833,1475 3833,955 5860.64,955 5865.36,3985
DRV2_MID on Bottom Layer "DRV2_MID_L02_P263" (solid, pour order 263): 4048,565 4048,1605 4458,1605 4458,930 4663,930 4663,565
ETH on Bottom Layer "ETH_L02_P234" (solid, pour order 234): 4757.69,1425 5068,1425 5068,960.82 4757.69,960.82
AGND on Bottom Layer "AGND_L02_P268" (solid, pour order 268): 3400,10 3400,2765 4131.5,2765 4131.5,4545 5863,4545 5863,10
AGND on Bottom Layer "AGND_L02_P278" (solid, pour order 278): 10,10 3338.5,10 3338.5,2865 4045,2865 4045,3760 4135.13,3760 4135.13,4545 4045,4545 10,4545
+5v on Bottom Layer "+5V_L02_P252" (solid, pour order 252): 10,3940 134.44,3940 134.44,3601.44 133,3600 10,3600
+3v3 on Bottom Layer "+3V3_L02_P249" (solid, pour order 249): 703,3730 768,3730 768,3600 703,3600
+3v3 on Bottom Layer "+3V3_L02_P245" (solid, pour order 245): 2114,2906 2214,2806 2374,2966 2274,3066
+24v_mosfet on Bottom Layer "+24V_MOSFET_L02_P233" (solid, pour order 233): 4543,1425 4749.5,1425 4749.5,995 4543,995

## Other copper
Bottom Layer:
  pour cut-out: 3020,815 3020,1420 3720,1420 3720,815
  pour cut-out: 3020,2255 3020,2865 3720,2865 3720,2255

## Silkscreen, mask and mechanical layers (free items; w line width, h text height)
Top Overlay:
  lines w5: 10,10 10,4545 5863,4545 5863,10 10,10
  lines w7.87: 598,349.44 598,429.44 ; 598,430 898,430 898,350 ; 720.65,2420.06 720.65,2335.06 1118.61,2335.06 ; 1098,350 1098,430 1398,430 1398,350 ; 1118.29,2335.06 1118.29,2420.06 ; 1598,349.44 1598,429.44 1898,429.44 1898,349.44 ; 1576,2332.83 1576,2417.08 1874.32,2417.08 1874.32,2332.83 1576,2332.83
  lines w10: 302.88,1589.88 302.88,1510 ; 302.88,1899.12 788.12,1899.12 788.12,1589.88 ; 302.88,1900.12 143,1900.12 143,1589.88 788,1589.88 788,1510 303,1510 ; 352.5,2265 635,2265 ; 352.5,2465 635,2465 ; 353,2265 353,2465 ; 438,1590 438.06,1590 ; 2221.5,4302.78 2221.5,4502.78 ; 2222.5,4302.78 2505,4302.78 2505,4502.78 2222.5,4502.78 ; 5425,4005 5720,4005 ; 5500,4005 5520,4005 5520,3795 ; 5620,3795 5620,4005 ; 302.88,1510 303,1510 ; 302.88,1510 303,1510 ; 1810.5,3665 1810.5,3865 2093,3865 2093,3665 1810.5,3665 ; 2015.5,50 2298,50 2298,250 2015.5,250 2015.5,50 ; 3445.5,2935 3445.5,3135 3728,3135 3728,2935 3445.5,2935 ; 3617.5,4320 3900,4320 3900,4520 3617.5,4520 3617.5,4320 ; 5420.81,3795 5720,3795 5720,4090 5420.81,4090 5420.81,3795
  text "24V" at 3650,4455 h40
  text "5V" at 2272.5,4437.78 h40
  text "GND" at 3650,4345 h40
  text "GND" at 2270,4330.28 h40
  text "CON" at 5510,4025 h40
  text "24v" at 5485,3845 h40 r90
  text "GND" at 5590,3845 h40 r90
  text "ETH" at 5690,3845 h40 r90
  text "3V3" at 1843,3800 h40
  text "GND" at 1843,3690 h40
  text "12V" at 3478,3070 h40
  text "GND" at 3478,2960 h40
  text "ADC-MODE" at 730,2639 h39.37
  text "ADC-TEST" at 1575,2630 h39.37
  text "1V8" at 385,2400 h40
  text "F0" at 740.65,2359.06 h39.37
  text "F1" at 845.65,2359.06 h39.37
  text "F2" at 940.65,2359.06 h39.37
  text "M" at 1058.65,2359.06 h39.37
  text "T0" at 1597.52,2356.08 h39.37
  text "T1" at 1697.52,2356.08 h39.37
  text "CD" at 1795.52,2356.08 h39.37
  text "GND" at 385,2290 h40
  text "uC" at 188,1830 h40
  text "SRC" at 173,1730 h40
  text "ADC" at 173,1630 h40
  text "I4" at 338,1530 h40
  text "I3" at 453,1530 h40
  text "I2" at 573,1530 h40
  text "I1" at 698,1530 h40
  text "I4" at 728,370 h40
  text "-" at 833,370.01 h40
  text "I3" at 1223,370 h40
  text "-" at 1333,370.01 h40
  text "I2" at 1723,370 h40
  text "-" at 1833,369.45 h40
  text "+" at 633,368.34 h40
  text "+" at 1133,368.34 h40
  text "+" at 1633,367.78 h40
  text "-5V" at 2043,185 h40
  text "GND" at 2048,75 h40

## Text inside footprints (layer, text, board x,y; h text height)
J8: Top Overlay "3V3" at 353,3403 h40; Top Overlay "DAC" at 353,3307.5 h40; Top Overlay "GND" at 353,3207.5 h40; Top Overlay "ADC" at 353,3107.5 h40; Top Overlay "UART" at 353,3007.5 h30; Top Overlay "ADC" at 353,2903 h40; Top Overlay "GND" at 353,2807.5 h40